# KiCad board main.kicad_pcb (continued)
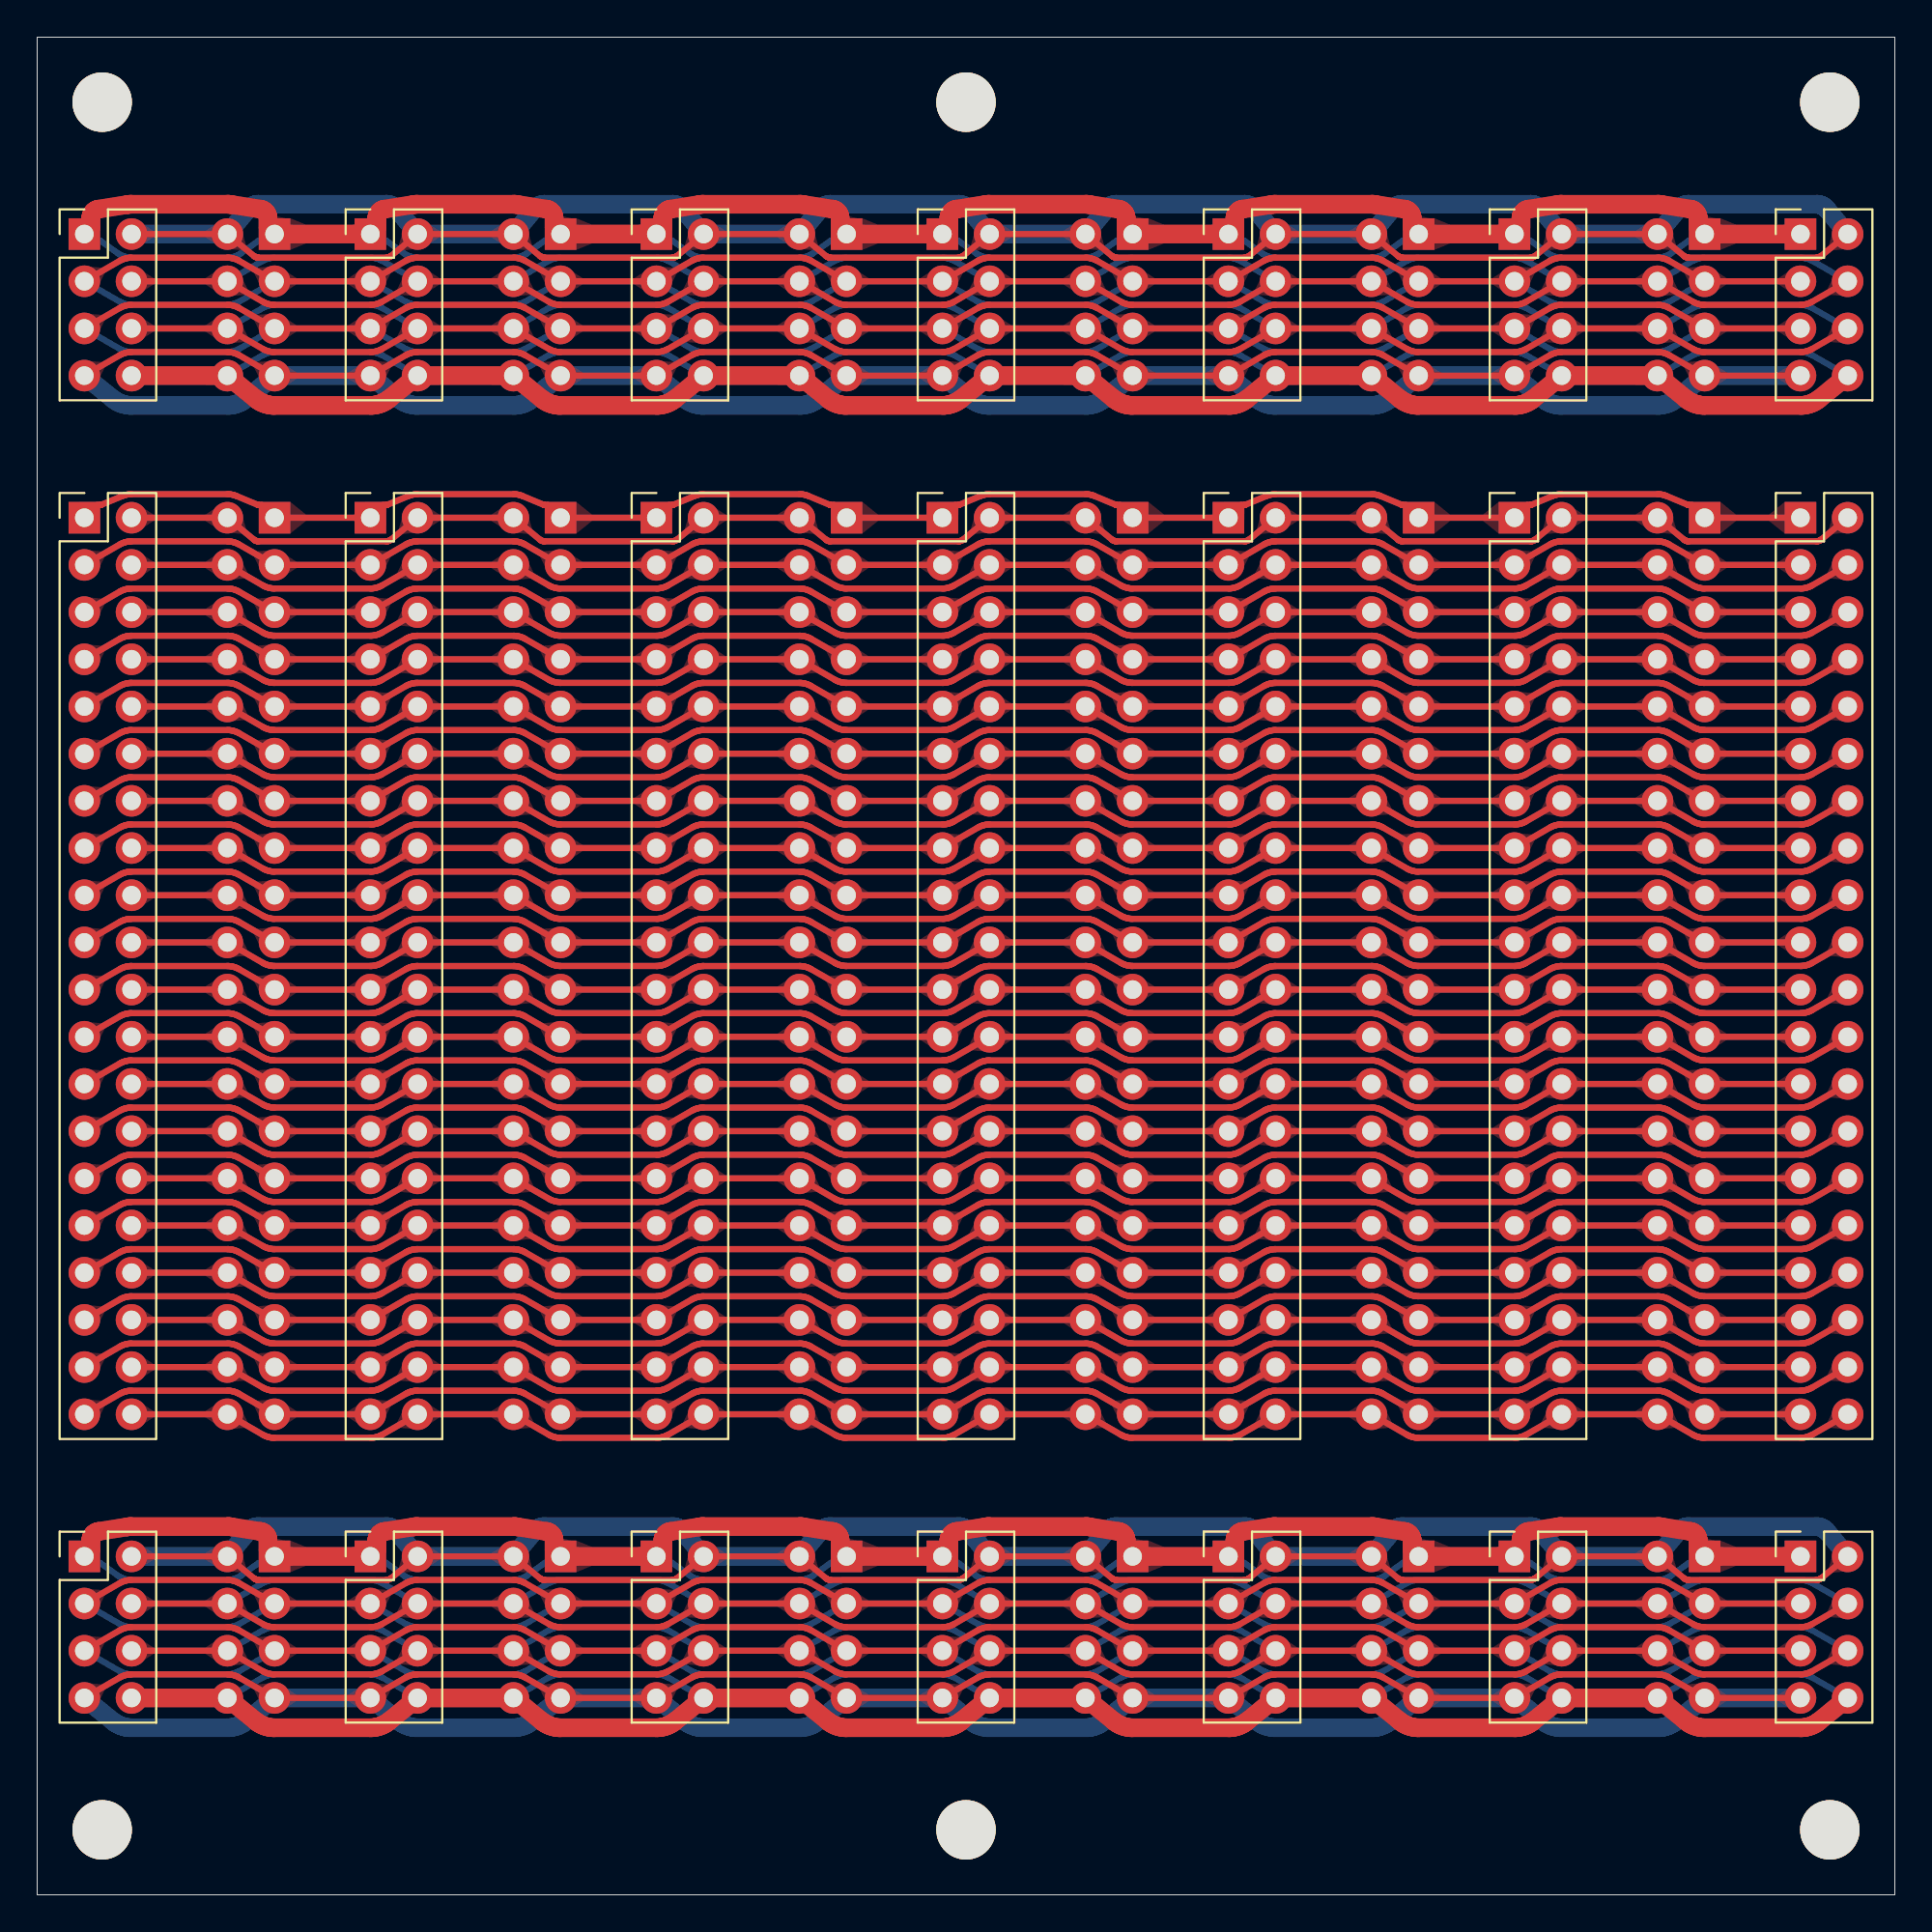
[diagram p0: board, top side]
## Routing (per net, layer and track width the routed paths; a pad name or vN(x,y) marks a point on that pad's centre or on a via; arc(x,y) is an arc through that point) (continued)
F_A2: length 192.5
  Top w0.33: J3.39 4.45,26.97 4.5,27 4.55,27.02 4.61,27.05 4.66,27.07 4.72,27.09 4.78,27.1 4.84,27.12 4.9,27.13 4.96,27.13 5.02,27.14 5.08,27.14 10.24,27.14 10.3,27.14 10.36,27.13 10.42,27.13 10.48,27.12 10.54,27.1 10.6,27.09 10.65,27.07 10.71,27.05 10.77,27.02 10.82,27 10.87,26.97 J26.39 J12.39 19.84,26.97 19.9,27 19.95,27.02 20.01,27.05 20.06,27.07 20.12,27.09 20.18,27.1 20.24,27.12 20.3,27.13 20.36,27.13 20.42,27.14 20.48,27.14 25.63,27.14 25.7,27.14 25.76,27.13 25.82,27.13 25.88,27.12 25.93,27.1 25.99,27.09 26.05,27.07 26.11,27.05 26.16,27.02 26.22,27 26.27,26.97 28.17,25.87 J13.39 35.24,26.97 35.29,27 35.35,27.02 35.4,27.05 35.46,27.07 35.52,27.09 35.57,27.1 35.63,27.12 35.69,27.13 35.75,27.13 35.81,27.14 35.87,27.14 41.03,27.14 41.09,27.14 41.15,27.13 41.21,27.13 41.27,27.12 41.33,27.1 41.39,27.09 41.45,27.07 41.5,27.05 41.56,27.02 41.61,27 41.67,26.97 J28.39 J11.39 50.64,26.97 50.69,27 50.74,27.02 50.8,27.05 50.85,27.07 50.91,27.09 50.97,27.1 51.03,27.12 51.09,27.13 51.15,27.13 51.21,27.14 51.27,27.14 56.43,27.14 56.49,27.14 56.55,27.13 56.61,27.13 56.67,27.12 56.73,27.1 56.79,27.09 56.84,27.07 56.9,27.05 56.96,27.02 57.01,27 57.06,26.97 J27.39 J25.39 66.03,26.97 66.09,27 66.14,27.02 66.2,27.05 66.25,27.07 66.31,27.09 66.37,27.1 66.43,27.12 66.49,27.13 66.55,27.13 66.61,27.14 66.67,27.14 71.83,27.14 71.89,27.14 71.95,27.13 72.01,27.13 72.07,27.12 72.12,27.1 72.18,27.09 72.24,27.07 72.3,27.05 72.35,27.02 72.41,27 72.46,26.97 J38.39 J30.39 81.43,26.97 81.48,27 81.54,27.02 81.59,27.05 81.65,27.07 81.71,27.09 81.76,27.1 81.82,27.12 81.88,27.13 81.94,27.13 82,27.14 82.06,27.14 87.22,27.14 87.28,27.14 87.34,27.13 87.4,27.13 87.46,27.12 87.52,27.1 87.58,27.09 87.64,27.07 87.69,27.05 87.75,27.02 87.8,27 87.86,26.97 J10.39 J29.39
  Bottom w0.33: J3.39 4.45,26.97 4.5,27 4.55,27.02 4.61,27.05 4.66,27.07 4.72,27.09 4.78,27.1 4.84,27.12 4.9,27.13 4.96,27.13 5.02,27.14 5.08,27.14 10.24,27.14 10.3,27.14 10.36,27.13 10.42,27.13 10.48,27.12 10.54,27.1 10.6,27.09 10.65,27.07 10.71,27.05 10.77,27.02 10.82,27 10.87,26.97 J26.39 J12.39 19.84,26.97 19.9,27 19.95,27.02 20.01,27.05 20.06,27.07 20.12,27.09 20.18,27.1 20.24,27.12 20.3,27.13 20.36,27.13 20.42,27.14 20.48,27.14 25.63,27.14 25.7,27.14 25.76,27.13 25.82,27.13 25.88,27.12 25.93,27.1 25.99,27.09 26.05,27.07 26.11,27.05 26.16,27.02 26.22,27 26.27,26.97 28.17,25.87 J13.39 35.24,26.97 35.29,27 35.35,27.02 35.4,27.05 35.46,27.07 35.52,27.09 35.57,27.1 35.63,27.12 35.69,27.13 35.75,27.13 35.81,27.14 35.87,27.14 41.03,27.14 41.09,27.14 41.15,27.13 41.21,27.13 41.27,27.12 41.33,27.1 41.39,27.09 41.45,27.07 41.5,27.05 41.56,27.02 41.61,27 41.67,26.97 J28.39 J11.39 50.64,26.97 50.69,27 50.74,27.02 50.8,27.05 50.85,27.07 50.91,27.09 50.97,27.1 51.03,27.12 51.09,27.13 51.15,27.13 51.21,27.14 51.27,27.14 56.43,27.14 56.49,27.14 56.55,27.13 56.61,27.13 56.67,27.12 56.73,27.1 56.79,27.09 56.84,27.07 56.9,27.05 56.96,27.02 57.01,27 57.06,26.97 J27.39 J25.39 66.03,26.97 66.09,27 66.14,27.02 66.2,27.05 66.25,27.07 66.31,27.09 66.37,27.1 66.43,27.12 66.49,27.13 66.55,27.13 66.61,27.14 66.67,27.14 71.83,27.14 71.89,27.14 71.95,27.13 72.01,27.13 72.07,27.12 72.12,27.1 72.18,27.09 72.24,27.07 72.3,27.05 72.35,27.02 72.41,27 72.46,26.97 J38.39 J30.39 81.43,26.97 81.48,27 81.54,27.02 81.59,27.05 81.65,27.07 81.71,27.09 81.76,27.1 81.82,27.12 81.88,27.13 81.94,27.13 82,27.14 82.06,27.14 87.22,27.14 87.28,27.14 87.34,27.13 87.4,27.13 87.46,27.12 87.52,27.1 87.58,27.09 87.64,27.07 87.69,27.05 87.75,27.02 87.8,27 87.86,26.97 J10.39 J29.39
F_A3: length 192.5
  Top w0.33: J3.33 4.45,34.59 4.5,34.62 4.55,34.64 4.61,34.67 4.66,34.69 4.72,34.71 4.78,34.72 4.84,34.74 4.9,34.75 4.96,34.75 5.02,34.76 5.08,34.76 10.24,34.76 10.3,34.76 10.36,34.75 10.42,34.75 10.48,34.74 10.54,34.72 10.6,34.71 10.65,34.69 10.71,34.67 10.77,34.64 10.82,34.62 10.87,34.59 J26.33 J12.33 19.84,34.59 19.9,34.62 19.95,34.64 20.01,34.67 20.06,34.69 20.12,34.71 20.18,34.72 20.24,34.74 20.3,34.75 20.36,34.75 20.42,34.76 20.48,34.76 25.63,34.76 25.7,34.76 25.76,34.75 25.82,34.75 25.88,34.74 25.93,34.72 25.99,34.71 26.05,34.69 26.11,34.67 26.16,34.64 26.22,34.62 26.27,34.59 28.17,33.49 J13.33 35.24,34.59 35.29,34.62 35.35,34.64 35.4,34.67 35.46,34.69 35.52,34.71 35.57,34.72 35.63,34.74 35.69,34.75 35.75,34.75 35.81,34.76 35.87,34.76 41.03,34.76 41.09,34.76 41.15,34.75 41.21,34.75 41.27,34.74 41.33,34.72 41.39,34.71 41.45,34.69 41.5,34.67 41.56,34.64 41.61,34.62 41.67,34.59 J28.33 J11.33 50.64,34.59 50.69,34.62 50.74,34.64 50.8,34.67 50.85,34.69 50.91,34.71 50.97,34.72 51.03,34.74 51.09,34.75 51.15,34.75 51.21,34.76 51.27,34.76 56.43,34.76 56.49,34.76 56.55,34.75 56.61,34.75 56.67,34.74 56.73,34.72 56.79,34.71 56.84,34.69 56.9,34.67 56.96,34.64 57.01,34.62 57.06,34.59 J27.33 J25.33 66.03,34.59 66.09,34.62 66.14,34.64 66.2,34.67 66.25,34.69 66.31,34.71 66.37,34.72 66.43,34.74 66.49,34.75 66.55,34.75 66.61,34.76 66.67,34.76 71.83,34.76 71.89,34.76 71.95,34.75 72.01,34.75 72.07,34.74 72.12,34.72 72.18,34.71 72.24,34.69 72.3,34.67 72.35,34.64 72.41,34.62 72.46,34.59 J38.33 J30.33 81.43,34.59 81.48,34.62 81.54,34.64 81.59,34.67 81.65,34.69 81.71,34.71 81.76,34.72 81.82,34.74 81.88,34.75 81.94,34.75 82,34.76 82.06,34.76 87.22,34.76 87.28,34.76 87.34,34.75 87.4,34.75 87.46,34.74 87.52,34.72 87.58,34.71 87.64,34.69 87.69,34.67 87.75,34.64 87.8,34.62 87.86,34.59 J10.33 J29.33
  Bottom w0.33: J29.33 J10.33 87.86,34.59 87.8,34.62 87.75,34.64 87.69,34.67 87.64,34.69 87.58,34.71 87.52,34.72 87.46,34.74 87.4,34.75 87.34,34.75 87.28,34.76 87.22,34.76 82.06,34.76 82,34.76 81.94,34.75 81.88,34.75 81.82,34.74 81.76,34.72 81.71,34.71 81.65,34.69 81.59,34.67 81.54,34.64 81.48,34.62 81.43,34.59 J30.33 J38.33 72.46,34.59 72.41,34.62 72.35,34.64 72.3,34.67 72.24,34.69 72.18,34.71 72.12,34.72 72.07,34.74 72.01,34.75 71.95,34.75 71.89,34.76 71.83,34.76 66.67,34.76 66.61,34.76 66.55,34.75 66.49,34.75 66.43,34.74 66.37,34.72 66.31,34.71 66.25,34.69 66.2,34.67 66.14,34.64 66.09,34.62 66.03,34.59 J25.33 J27.33 57.06,34.59 57.01,34.62 56.96,34.64 56.9,34.67 56.84,34.69 56.79,34.71 56.73,34.72 56.67,34.74 56.61,34.75 56.55,34.75 56.49,34.76 56.43,34.76 51.27,34.76 51.21,34.76 51.15,34.75 51.09,34.75 51.03,34.74 50.97,34.72 50.91,34.71 50.85,34.69 50.8,34.67 50.74,34.64 50.69,34.62 50.64,34.59 J11.33 J28.33 41.67,34.59 41.61,34.62 41.56,34.64 41.5,34.67 41.45,34.69 41.39,34.71 41.33,34.72 41.27,34.74 41.21,34.75 41.15,34.75 41.09,34.76 41.03,34.76 35.87,34.76 35.81,34.76 35.75,34.75 35.69,34.75 35.63,34.74 35.57,34.72 35.52,34.71 35.46,34.69 35.4,34.67 35.35,34.64 35.29,34.62 35.24,34.59 J13.33 28.17,33.49 26.27,34.59 26.22,34.62 26.16,34.64 26.11,34.67 26.05,34.69 25.99,34.71 25.93,34.72 25.88,34.74 25.82,34.75 25.76,34.75 25.7,34.76 25.63,34.76 20.48,34.76 20.42,34.76 20.36,34.75 20.3,34.75 20.24,34.74 20.18,34.72 20.12,34.71 20.06,34.69 20.01,34.67 19.95,34.64 19.9,34.62 19.84,34.59 J12.33 J26.33 10.87,34.59 10.82,34.62 10.77,34.64 10.71,34.67 10.65,34.69 10.6,34.71 10.54,34.72 10.48,34.74 10.42,34.75 10.36,34.75 10.3,34.76 10.24,34.76 5.08,34.76 5.02,34.76 4.96,34.75 4.9,34.75 4.84,34.74 4.78,34.72 4.72,34.71 4.66,34.69 4.61,34.67 4.55,34.64 4.5,34.62 4.45,34.59 J3.33
F_A4: length 192.5
  Top w0.33: J29.32 95.55,34.93 95.5,34.9 95.45,34.88 95.39,34.85 95.34,34.83 95.28,34.81 95.22,34.8 95.16,34.78 95.1,34.77 95.04,34.77 94.98,34.76 94.92,34.76 89.76,34.76 89.7,34.76 89.64,34.77 89.58,34.77 89.52,34.78 89.46,34.8 89.4,34.81 89.35,34.83 89.29,34.85 89.23,34.88 89.18,34.9 89.13,34.93 J10.32 J30.32 80.16,34.93 80.1,34.9 80.05,34.88 79.99,34.85 79.94,34.83 79.88,34.81 79.82,34.8 79.76,34.78 79.7,34.77 79.64,34.77 79.58,34.76 79.52,34.76 74.36,34.76 74.3,34.76 74.24,34.77 74.18,34.77 74.12,34.78 74.07,34.8 74.01,34.81 73.95,34.83 73.89,34.85 73.84,34.88 73.78,34.9 73.73,34.93 J38.32 J25.32 64.76,34.93 64.71,34.9 64.65,34.88 64.6,34.85 64.54,34.83 64.48,34.81 64.43,34.8 64.37,34.78 64.31,34.77 64.25,34.77 64.19,34.76 64.13,34.76 58.97,34.76 58.91,34.76 58.85,34.77 58.79,34.77 58.73,34.78 58.67,34.8 58.61,34.81 58.55,34.83 58.5,34.85 58.44,34.88 58.39,34.9 58.33,34.93 J27.32 J11.32 49.36,34.93 49.31,34.9 49.26,34.88 49.2,34.85 49.15,34.83 49.09,34.81 49.03,34.8 48.97,34.78 48.91,34.77 48.85,34.77 48.79,34.76 48.73,34.76 43.57,34.76 43.51,34.76 43.45,34.77 43.39,34.77 43.33,34.78 43.27,34.8 43.21,34.81 43.16,34.83 43.1,34.85 43.04,34.88 42.99,34.9 42.94,34.93 J28.32 J13.32 33.97,34.93 33.91,34.9 33.86,34.88 33.8,34.85 33.75,34.83 33.69,34.81 33.63,34.8 33.57,34.78 33.51,34.77 33.45,34.77 33.39,34.76 33.33,34.76 28.17,34.76 28.11,34.76 28.05,34.77 27.99,34.77 27.93,34.78 27.88,34.8 27.82,34.81 27.76,34.83 27.7,34.85 27.65,34.88 27.59,34.9 27.54,34.93 25.63,36.03 J12.32 18.57,34.93 18.52,34.9 18.46,34.88 18.41,34.85 18.35,34.83 18.29,34.81 18.24,34.8 18.18,34.78 18.12,34.77 18.06,34.77 18,34.76 17.94,34.76 12.78,34.76 12.72,34.76 12.66,34.77 12.6,34.77 12.54,34.78 12.48,34.8 12.42,34.81 12.36,34.83 12.31,34.85 12.25,34.88 12.2,34.9 12.14,34.93 J26.32 J3.32
  Bottom w0.33: J3.32 J26.32 12.14,34.93 12.2,34.9 12.25,34.88 12.31,34.85 12.36,34.83 12.42,34.81 12.48,34.8 12.54,34.78 12.6,34.77 12.66,34.77 12.72,34.76 12.78,34.76 17.94,34.76 18,34.76 18.06,34.77 18.12,34.77 18.18,34.78 18.24,34.8 18.29,34.81 18.35,34.83 18.41,34.85 18.46,34.88 18.52,34.9 18.57,34.93 J12.32 25.63,36.03 27.54,34.93 27.59,34.9 27.65,34.88 27.7,34.85 27.76,34.83 27.82,34.81 27.88,34.8 27.93,34.78 27.99,34.77 28.05,34.77 28.11,34.76 28.17,34.76 33.33,34.76 33.39,34.76 33.45,34.77 33.51,34.77 33.57,34.78 33.63,34.8 33.69,34.81 33.75,34.83 33.8,34.85 33.86,34.88 33.91,34.9 33.97,34.93 J13.32 J28.32 42.94,34.93 42.99,34.9 43.04,34.88 43.1,34.85 43.16,34.83 43.21,34.81 43.27,34.8 43.33,34.78 43.39,34.77 43.45,34.77 43.51,34.76 43.57,34.76 48.73,34.76 48.79,34.76 48.85,34.77 48.91,34.77 48.97,34.78 49.03,34.8 49.09,34.81 49.15,34.83 49.2,34.85 49.26,34.88 49.31,34.9 49.36,34.93 J11.32 J27.32 58.33,34.93 58.39,34.9 58.44,34.88 58.5,34.85 58.55,34.83 58.61,34.81 58.67,34.8 58.73,34.78 58.79,34.77 58.85,34.77 58.91,34.76 58.97,34.76 64.13,34.76 64.19,34.76 64.25,34.77 64.31,34.77 64.37,34.78 64.43,34.8 64.48,34.81 64.54,34.83 64.6,34.85 64.65,34.88 64.71,34.9 64.76,34.93 J25.32 J38.32 73.73,34.93 73.78,34.9 73.84,34.88 73.89,34.85 73.95,34.83 74.01,34.81 74.07,34.8 74.12,34.78 74.18,34.77 74.24,34.77 74.3,34.76 74.36,34.76 79.52,34.76 79.58,34.76 79.64,34.77 79.7,34.77 79.76,34.78 79.82,34.8 79.88,34.81 79.94,34.83 79.99,34.85 80.05,34.88 80.1,34.9 80.16,34.93 J30.32 J10.32 89.13,34.93 89.18,34.9 89.23,34.88 89.29,34.85 89.35,34.83 89.4,34.81 89.46,34.8 89.52,34.78 89.58,34.77 89.64,34.77 89.7,34.76 89.76,34.76 94.92,34.76 94.98,34.76 95.04,34.77 95.1,34.77 95.16,34.78 95.22,34.8 95.28,34.81 95.34,34.83 95.39,34.85 95.45,34.88 95.5,34.9 95.55,34.93 J29.32
F_A5: length 192.5
  Top w0.33: J29.36 95.55,29.85 95.5,29.82 95.45,29.8 95.39,29.77 95.34,29.75 95.28,29.73 95.22,29.72 95.16,29.7 95.1,29.69 95.04,29.69 94.98,29.68 94.92,29.68 89.76,29.68 89.7,29.68 89.64,29.69 89.58,29.69 89.52,29.7 89.46,29.72 89.4,29.73 89.35,29.75 89.29,29.77 89.23,29.8 89.18,29.82 89.13,29.85 J10.36 J30.36 80.16,29.85 80.1,29.82 80.05,29.8 79.99,29.77 79.94,29.75 79.88,29.73 79.82,29.72 79.76,29.7 79.7,29.69 79.64,29.69 79.58,29.68 79.52,29.68 74.36,29.68 74.3,29.68 74.24,29.69 74.18,29.69 74.12,29.7 74.07,29.72 74.01,29.73 73.95,29.75 73.89,29.77 73.84,29.8 73.78,29.82 73.73,29.85 J38.36 J25.36 64.76,29.85 64.71,29.82 64.65,29.8 64.6,29.77 64.54,29.75 64.48,29.73 64.43,29.72 64.37,29.7 64.31,29.69 64.25,29.69 64.19,29.68 64.13,29.68 58.97,29.68 58.91,29.68 58.85,29.69 58.79,29.69 58.73,29.7 58.67,29.72 58.61,29.73 58.55,29.75 58.5,29.77 58.44,29.8 58.39,29.82 58.33,29.85 J27.36 J11.36 49.36,29.85 49.31,29.82 49.26,29.8 49.2,29.77 49.15,29.75 49.09,29.73 49.03,29.72 48.97,29.7 48.91,29.69 48.85,29.69 48.79,29.68 48.73,29.68 43.57,29.68 43.51,29.68 43.45,29.69 43.39,29.69 43.33,29.7 43.27,29.72 43.21,29.73 43.16,29.75 43.1,29.77 43.04,29.8 42.99,29.82 42.94,29.85 J28.36 J13.36 33.97,29.85 33.91,29.82 33.86,29.8 33.8,29.77 33.75,29.75 33.69,29.73 33.63,29.72 33.57,29.7 33.51,29.69 33.45,29.69 33.39,29.68 33.33,29.68 28.17,29.68 28.11,29.68 28.05,29.69 27.99,29.69 27.93,29.7 27.88,29.72 27.82,29.73 27.76,29.75 27.7,29.77 27.65,29.8 27.59,29.82 27.54,29.85 25.63,30.95 J12.36 18.57,29.85 18.52,29.82 18.46,29.8 18.41,29.77 18.35,29.75 18.29,29.73 18.24,29.72 18.18,29.7 18.12,29.69 18.06,29.69 18,29.68 17.94,29.68 12.78,29.68 12.72,29.68 12.66,29.69 12.6,29.69 12.54,29.7 12.48,29.72 12.42,29.73 12.36,29.75 12.31,29.77 12.25,29.8 12.2,29.82 12.14,29.85 J26.36 J3.36
  Bottom w0.33: J3.36 J26.36 12.14,29.85 12.2,29.82 12.25,29.8 12.31,29.77 12.36,29.75 12.42,29.73 12.48,29.72 12.54,29.7 12.6,29.69 12.66,29.69 12.72,29.68 12.78,29.68 17.94,29.68 18,29.68 18.06,29.69 18.12,29.69 18.18,29.7 18.24,29.72 18.29,29.73 18.35,29.75 18.41,29.77 18.46,29.8 18.52,29.82 18.57,29.85 J12.36 25.63,30.95 27.54,29.85 27.59,29.82 27.65,29.8 27.7,29.77 27.76,29.75 27.82,29.73 27.88,29.72 27.93,29.7 27.99,29.69 28.05,29.69 28.11,29.68 28.17,29.68 33.33,29.68 33.39,29.68 33.45,29.69 33.51,29.69 33.57,29.7 33.63,29.72 33.69,29.73 33.75,29.75 33.8,29.77 33.86,29.8 33.91,29.82 33.97,29.85 J13.36 J28.36 42.94,29.85 42.99,29.82 43.04,29.8 43.1,29.77 43.16,29.75 43.21,29.73 43.27,29.72 43.33,29.7 43.39,29.69 43.45,29.69 43.51,29.68 43.57,29.68 48.73,29.68 48.79,29.68 48.85,29.69 48.91,29.69 48.97,29.7 49.03,29.72 49.09,29.73 49.15,29.75 49.2,29.77 49.26,29.8 49.31,29.82 49.36,29.85 J11.36 J27.36 58.33,29.85 58.39,29.82 58.44,29.8 58.5,29.77 58.55,29.75 58.61,29.73 58.67,29.72 58.73,29.7 58.79,29.69 58.85,29.69 58.91,29.68 58.97,29.68 64.13,29.68 64.19,29.68 64.25,29.69 64.31,29.69 64.37,29.7 64.43,29.72 64.48,29.73 64.54,29.75 64.6,29.77 64.65,29.8 64.71,29.82 64.76,29.85 J25.36 J38.36 73.73,29.85 73.78,29.82 73.84,29.8 73.89,29.77 73.95,29.75 74.01,29.73 74.07,29.72 74.12,29.7 74.18,29.69 74.24,29.69 74.3,29.68 74.36,29.68 79.52,29.68 79.58,29.68 79.64,29.69 79.7,29.69 79.76,29.7 79.82,29.72 79.88,29.73 79.94,29.75 79.99,29.77 80.05,29.8 80.1,29.82 80.16,29.85 J30.36 J10.36 89.13,29.85 89.18,29.82 89.23,29.8 89.29,29.77 89.35,29.75 89.4,29.73 89.46,29.72 89.52,29.7 89.58,29.69 89.64,29.69 89.7,29.68 89.76,29.68 94.92,29.68 94.98,29.68 95.04,29.69 95.1,29.69 95.16,29.7 95.22,29.72 95.28,29.73 95.34,29.75 95.39,29.77 95.45,29.8 95.5,29.82 95.55,29.85 J29.36
F_A6: length 192.5
  Top w0.33: J29.37 J10.37 87.86,29.51 87.8,29.54 87.75,29.56 87.69,29.59 87.64,29.61 87.58,29.63 87.52,29.64 87.46,29.66 87.4,29.67 87.34,29.67 87.28,29.68 87.22,29.68 82.06,29.68 82,29.68 81.94,29.67 81.88,29.67 81.82,29.66 81.76,29.64 81.71,29.63 81.65,29.61 81.59,29.59 81.54,29.56 81.48,29.54 81.43,29.51 J30.37 J38.37 72.46,29.51 72.41,29.54 72.35,29.56 72.3,29.59 72.24,29.61 72.18,29.63 72.12,29.64 72.07,29.66 72.01,29.67 71.95,29.67 71.89,29.68 71.83,29.68 66.67,29.68 66.61,29.68 66.55,29.67 66.49,29.67 66.43,29.66 66.37,29.64 66.31,29.63 66.25,29.61 66.2,29.59 66.14,29.56 66.09,29.54 66.03,29.51 J25.37 J27.37 57.06,29.51 57.01,29.54 56.96,29.56 56.9,29.59 56.84,29.61 56.79,29.63 56.73,29.64 56.67,29.66 56.61,29.67 56.55,29.67 56.49,29.68 56.43,29.68 51.27,29.68 51.21,29.68 51.15,29.67 51.09,29.67 51.03,29.66 50.97,29.64 50.91,29.63 50.85,29.61 50.8,29.59 50.74,29.56 50.69,29.54 50.64,29.51 J11.37 J28.37 41.67,29.51 41.61,29.54 41.56,29.56 41.5,29.59 41.45,29.61 41.39,29.63 41.33,29.64 41.27,29.66 41.21,29.67 41.15,29.67 41.09,29.68 41.03,29.68 35.87,29.68 35.81,29.68 35.75,29.67 35.69,29.67 35.63,29.66 35.57,29.64 35.52,29.63 35.46,29.61 35.4,29.59 35.35,29.56 35.29,29.54 35.24,29.51 J13.37 28.17,28.41 26.27,29.51 26.22,29.54 26.16,29.56 26.11,29.59 26.05,29.61 25.99,29.63 25.93,29.64 25.88,29.66 25.82,29.67 25.76,29.67 25.7,29.68 25.63,29.68 20.48,29.68 20.42,29.68 20.36,29.67 20.3,29.67 20.24,29.66 20.18,29.64 20.12,29.63 20.06,29.61 20.01,29.59 19.95,29.56 19.9,29.54 19.84,29.51 J12.37 J26.37 10.87,29.51 10.82,29.54 10.77,29.56 10.71,29.59 10.65,29.61 10.6,29.63 10.54,29.64 10.48,29.66 10.42,29.67 10.36,29.67 10.3,29.68 10.24,29.68 5.08,29.68 5.02,29.68 4.96,29.67 4.9,29.67 4.84,29.66 4.78,29.64 4.72,29.63 4.66,29.61 4.61,29.59 4.55,29.56 4.5,29.54 4.45,29.51 J3.37
  Bottom w0.33: J3.37 4.45,29.51 4.5,29.54 4.55,29.56 4.61,29.59 4.66,29.61 4.72,29.63 4.78,29.64 4.84,29.66 4.9,29.67 4.96,29.67 5.02,29.68 5.08,29.68 10.24,29.68 10.3,29.68 10.36,29.67 10.42,29.67 10.48,29.66 10.54,29.64 10.6,29.63 10.65,29.61 10.71,29.59 10.77,29.56 10.82,29.54 10.87,29.51 J26.37 J12.37 19.84,29.51 19.9,29.54 19.95,29.56 20.01,29.59 20.06,29.61 20.12,29.63 20.18,29.64 20.24,29.66 20.3,29.67 20.36,29.67 20.42,29.68 20.48,29.68 25.63,29.68 25.7,29.68 25.76,29.67 25.82,29.67 25.88,29.66 25.93,29.64 25.99,29.63 26.05,29.61 26.11,29.59 26.16,29.56 26.22,29.54 26.27,29.51 28.17,28.41 J13.37 35.24,29.51 35.29,29.54 35.35,29.56 35.4,29.59 35.46,29.61 35.52,29.63 35.57,29.64 35.63,29.66 35.69,29.67 35.75,29.67 35.81,29.68 35.87,29.68 41.03,29.68 41.09,29.68 41.15,29.67 41.21,29.67 41.27,29.66 41.33,29.64 41.39,29.63 41.45,29.61 41.5,29.59 41.56,29.56 41.61,29.54 41.67,29.51 J28.37 J11.37 50.64,29.51 50.69,29.54 50.74,29.56 50.8,29.59 50.85,29.61 50.91,29.63 50.97,29.64 51.03,29.66 51.09,29.67 51.15,29.67 51.21,29.68 51.27,29.68 56.43,29.68 56.49,29.68 56.55,29.67 56.61,29.67 56.67,29.66 56.73,29.64 56.79,29.63 56.84,29.61 56.9,29.59 56.96,29.56 57.01,29.54 57.06,29.51 J27.37 J25.37 66.03,29.51 66.09,29.54 66.14,29.56 66.2,29.59 66.25,29.61 66.31,29.63 66.37,29.64 66.43,29.66 66.49,29.67 66.55,29.67 66.61,29.68 66.67,29.68 71.83,29.68 71.89,29.68 71.95,29.67 72.01,29.67 72.07,29.66 72.12,29.64 72.18,29.63 72.24,29.61 72.3,29.59 72.35,29.56 72.41,29.54 72.46,29.51 J38.37 J30.37 81.43,29.51 81.48,29.54 81.54,29.56 81.59,29.59 81.65,29.61 81.71,29.63 81.76,29.64 81.82,29.66 81.88,29.67 81.94,29.67 82,29.68 82.06,29.68 87.22,29.68 87.28,29.68 87.34,29.67 87.4,29.67 87.46,29.66 87.52,29.64 87.58,29.63 87.64,29.61 87.69,29.59 87.75,29.56 87.8,29.54 87.86,29.51 J10.37 J29.37
F_A7: length 192.5
  Top w0.33: J3.35 4.45,32.05 4.5,32.08 4.55,32.1 4.61,32.13 4.66,32.15 4.72,32.17 4.78,32.18 4.84,32.2 4.9,32.21 4.96,32.21 5.02,32.22 5.08,32.22 10.24,32.22 10.3,32.22 10.36,32.21 10.42,32.21 10.48,32.2 10.54,32.18 10.6,32.17 10.65,32.15 10.71,32.13 10.77,32.1 10.82,32.08 10.87,32.05 J26.35 J12.35 19.84,32.05 19.9,32.08 19.95,32.1 20.01,32.13 20.06,32.15 20.12,32.17 20.18,32.18 20.24,32.2 20.3,32.21 20.36,32.21 20.42,32.22 20.48,32.22 25.63,32.22 25.7,32.22 25.76,32.21 25.82,32.21 25.88,32.2 25.93,32.18 25.99,32.17 26.05,32.15 26.11,32.13 26.16,32.1 26.22,32.08 26.27,32.05 28.17,30.95 J13.35 35.24,32.05 35.29,32.08 35.35,32.1 35.4,32.13 35.46,32.15 35.52,32.17 35.57,32.18 35.63,32.2 35.69,32.21 35.75,32.21 35.81,32.22 35.87,32.22 41.03,32.22 41.09,32.22 41.15,32.21 41.21,32.21 41.27,32.2 41.33,32.18 41.39,32.17 41.45,32.15 41.5,32.13 41.56,32.1 41.61,32.08 41.67,32.05 J28.35 J11.35 50.64,32.05 50.69,32.08 50.74,32.1 50.8,32.13 50.85,32.15 50.91,32.17 50.97,32.18 51.03,32.2 51.09,32.21 51.15,32.21 51.21,32.22 51.27,32.22 56.43,32.22 56.49,32.22 56.55,32.21 56.61,32.21 56.67,32.2 56.73,32.18 56.79,32.17 56.84,32.15 56.9,32.13 56.96,32.1 57.01,32.08 57.06,32.05 J27.35 J25.35 66.03,32.05 66.09,32.08 66.14,32.1 66.2,32.13 66.25,32.15 66.31,32.17 66.37,32.18 66.43,32.2 66.49,32.21 66.55,32.21 66.61,32.22 66.67,32.22 71.83,32.22 71.89,32.22 71.95,32.21 72.01,32.21 72.07,32.2 72.12,32.18 72.18,32.17 72.24,32.15 72.3,32.13 72.35,32.1 72.41,32.08 72.46,32.05 J38.35 J30.35 81.43,32.05 81.48,32.08 81.54,32.1 81.59,32.13 81.65,32.15 81.71,32.17 81.76,32.18 81.82,32.2 81.88,32.21 81.94,32.21 82,32.22 82.06,32.22 87.22,32.22 87.28,32.22 87.34,32.21 87.4,32.21 87.46,32.2 87.52,32.18 87.58,32.17 87.64,32.15 87.69,32.13 87.75,32.1 87.8,32.08 87.86,32.05 J10.35 J29.35
  Bottom w0.33: J29.35 J10.35 87.86,32.05 87.8,32.08 87.75,32.1 87.69,32.13 87.64,32.15 87.58,32.17 87.52,32.18 87.46,32.2 87.4,32.21 87.34,32.21 87.28,32.22 87.22,32.22 82.06,32.22 82,32.22 81.94,32.21 81.88,32.21 81.82,32.2 81.76,32.18 81.71,32.17 81.65,32.15 81.59,32.13 81.54,32.1 81.48,32.08 81.43,32.05 J30.35 J38.35 72.46,32.05 72.41,32.08 72.35,32.1 72.3,32.13 72.24,32.15 72.18,32.17 72.12,32.18 72.07,32.2 72.01,32.21 71.95,32.21 71.89,32.22 71.83,32.22 66.67,32.22 66.61,32.22 66.55,32.21 66.49,32.21 66.43,32.2 66.37,32.18 66.31,32.17 66.25,32.15 66.2,32.13 66.14,32.1 66.09,32.08 66.03,32.05 J25.35 J27.35 57.06,32.05 57.01,32.08 56.96,32.1 56.9,32.13 56.84,32.15 56.79,32.17 56.73,32.18 56.67,32.2 56.61,32.21 56.55,32.21 56.49,32.22 56.43,32.22 51.27,32.22 51.21,32.22 51.15,32.21 51.09,32.21 51.03,32.2 50.97,32.18 50.91,32.17 50.85,32.15 50.8,32.13 50.74,32.1 50.69,32.08 50.64,32.05 J11.35 J28.35 41.67,32.05 41.61,32.08 41.56,32.1 41.5,32.13 41.45,32.15 41.39,32.17 41.33,32.18 41.27,32.2 41.21,32.21 41.15,32.21 41.09,32.22 41.03,32.22 35.87,32.22 35.81,32.22 35.75,32.21 35.69,32.21 35.63,32.2 35.57,32.18 35.52,32.17 35.46,32.15 35.4,32.13 35.35,32.1 35.29,32.08 35.24,32.05 J13.35 28.17,30.95 26.27,32.05 26.22,32.08 26.16,32.1 26.11,32.13 26.05,32.15 25.99,32.17 25.93,32.18 25.88,32.2 25.82,32.21 25.76,32.21 25.7,32.22 25.63,32.22 20.48,32.22 20.42,32.22 20.36,32.21 20.3,32.21 20.24,32.2 20.18,32.18 20.12,32.17 20.06,32.15 20.01,32.13 19.95,32.1 19.9,32.08 19.84,32.05 J12.35 J26.35 10.87,32.05 10.82,32.08 10.77,32.1 10.71,32.13 10.65,32.15 10.6,32.17 10.54,32.18 10.48,32.2 10.42,32.21 10.36,32.21 10.3,32.22 10.24,32.22 5.08,32.22 5.02,32.22 4.96,32.21 4.9,32.21 4.84,32.2 4.78,32.18 4.72,32.17 4.66,32.15 4.61,32.13 4.55,32.1 4.5,32.08 4.45,32.05 J3.35
F_A8: length 192.5
  Top w0.33: J29.12 95.55,60.33 95.5,60.3 95.45,60.28 95.39,60.25 95.34,60.23 95.28,60.21 95.22,60.2 95.16,60.18 95.1,60.17 95.04,60.17 94.98,60.16 94.92,60.16 89.76,60.16 89.7,60.16 89.64,60.17 89.58,60.17 89.52,60.18 89.46,60.2 89.4,60.21 89.35,60.23 89.29,60.25 89.23,60.28 89.18,60.3 89.13,60.33 J10.12 J30.12 80.16,60.33 80.1,60.3 80.05,60.28 79.99,60.25 79.94,60.23 79.88,60.21 79.82,60.2 79.76,60.18 79.7,60.17 79.64,60.17 79.58,60.16 79.52,60.16 74.36,60.16 74.3,60.16 74.24,60.17 74.18,60.17 74.12,60.18 74.07,60.2 74.01,60.21 73.95,60.23 73.89,60.25 73.84,60.28 73.78,60.3 73.73,60.33 J38.12 J25.12 64.76,60.33 64.71,60.3 64.65,60.28 64.6,60.25 64.54,60.23 64.48,60.21 64.43,60.2 64.37,60.18 64.31,60.17 64.25,60.17 64.19,60.16 64.13,60.16 58.97,60.16 58.91,60.16 58.85,60.17 58.79,60.17 58.73,60.18 58.67,60.2 58.61,60.21 58.55,60.23 58.5,60.25 58.44,60.28 58.39,60.3 58.33,60.33 J27.12 J11.12 49.36,60.33 49.31,60.3 49.26,60.28 49.2,60.25 49.15,60.23 49.09,60.21 49.03,60.2 48.97,60.18 48.91,60.17 48.85,60.17 48.79,60.16 48.73,60.16 43.57,60.16 43.51,60.16 43.45,60.17 43.39,60.17 43.33,60.18 43.27,60.2 43.21,60.21 43.16,60.23 43.1,60.25 43.04,60.28 42.99,60.3 42.94,60.33 J28.12 J13.12 33.97,60.33 33.91,60.3 33.86,60.28 33.8,60.25 33.75,60.23 33.69,60.21 33.63,60.2 33.57,60.18 33.51,60.17 33.45,60.17 33.39,60.16 33.33,60.16 28.17,60.16 28.11,60.16 28.05,60.17 27.99,60.17 27.93,60.18 27.88,60.2 27.82,60.21 27.76,60.23 27.7,60.25 27.65,60.28 27.59,60.3 27.54,60.33 J9.12 J12.12 18.57,60.33 18.52,60.3 18.46,60.28 18.41,60.25 18.35,60.23 18.29,60.21 18.24,60.2 18.18,60.18 18.12,60.17 18.06,60.17 18,60.16 17.94,60.16 12.78,60.16 12.72,60.16 12.66,60.17 12.6,60.17 12.54,60.18 12.48,60.2 12.42,60.21 12.36,60.23 12.31,60.25 12.25,60.28 12.2,60.3 12.14,60.33 J26.12 J3.12
  Bottom w0.33: J3.12 J26.12 12.14,60.33 12.2,60.3 12.25,60.28 12.31,60.25 12.36,60.23 12.42,60.21 12.48,60.2 12.54,60.18 12.6,60.17 12.66,60.17 12.72,60.16 12.78,60.16 17.94,60.16 18,60.16 18.06,60.17 18.12,60.17 18.18,60.18 18.24,60.2 18.29,60.21 18.35,60.23 18.41,60.25 18.46,60.28 18.52,60.3 18.57,60.33 J12.12 J9.12 27.54,60.33 27.59,60.3 27.65,60.28 27.7,60.25 27.76,60.23 27.82,60.21 27.88,60.2 27.93,60.18 27.99,60.17 28.05,60.17 28.11,60.16 28.17,60.16 33.33,60.16 33.39,60.16 33.45,60.17 33.51,60.17 33.57,60.18 33.63,60.2 33.69,60.21 33.75,60.23 33.8,60.25 33.86,60.28 33.91,60.3 33.97,60.33 J13.12 J28.12 42.94,60.33 42.99,60.3 43.04,60.28 43.1,60.25 43.16,60.23 43.21,60.21 43.27,60.2 43.33,60.18 43.39,60.17 43.45,60.17 43.51,60.16 43.57,60.16 48.73,60.16 48.79,60.16 48.85,60.17 48.91,60.17 48.97,60.18 49.03,60.2 49.09,60.21 49.15,60.23 49.2,60.25 49.26,60.28 49.31,60.3 49.36,60.33 J11.12 J27.12 58.33,60.33 58.39,60.3 58.44,60.28 58.5,60.25 58.55,60.23 58.61,60.21 58.67,60.2 58.73,60.18 58.79,60.17 58.85,60.17 58.91,60.16 58.97,60.16 64.13,60.16 64.19,60.16 64.25,60.17 64.31,60.17 64.37,60.18 64.43,60.2 64.48,60.21 64.54,60.23 64.6,60.25 64.65,60.28 64.71,60.3 64.76,60.33 J25.12 J38.12 73.73,60.33 73.78,60.3 73.84,60.28 73.89,60.25 73.95,60.23 74.01,60.21 74.07,60.2 74.12,60.18 74.18,60.17 74.24,60.17 74.3,60.16 74.36,60.16 79.52,60.16 79.58,60.16 79.64,60.17 79.7,60.17 79.76,60.18 79.82,60.2 79.88,60.21 79.94,60.23 79.99,60.25 80.05,60.28 80.1,60.3 80.16,60.33 J30.12 J10.12 89.13,60.33 89.18,60.3 89.23,60.28 89.29,60.25 89.35,60.23 89.4,60.21 89.46,60.2 89.52,60.18 89.58,60.17 89.64,60.17 89.7,60.16 89.76,60.16 94.92,60.16 94.98,60.16 95.04,60.17 95.1,60.17 95.16,60.18 95.22,60.2 95.28,60.21 95.34,60.23 95.39,60.25 95.45,60.28 95.5,60.3 95.55,60.33 J29.12